# KiCad board forti proto.kicad_pcb (continued)
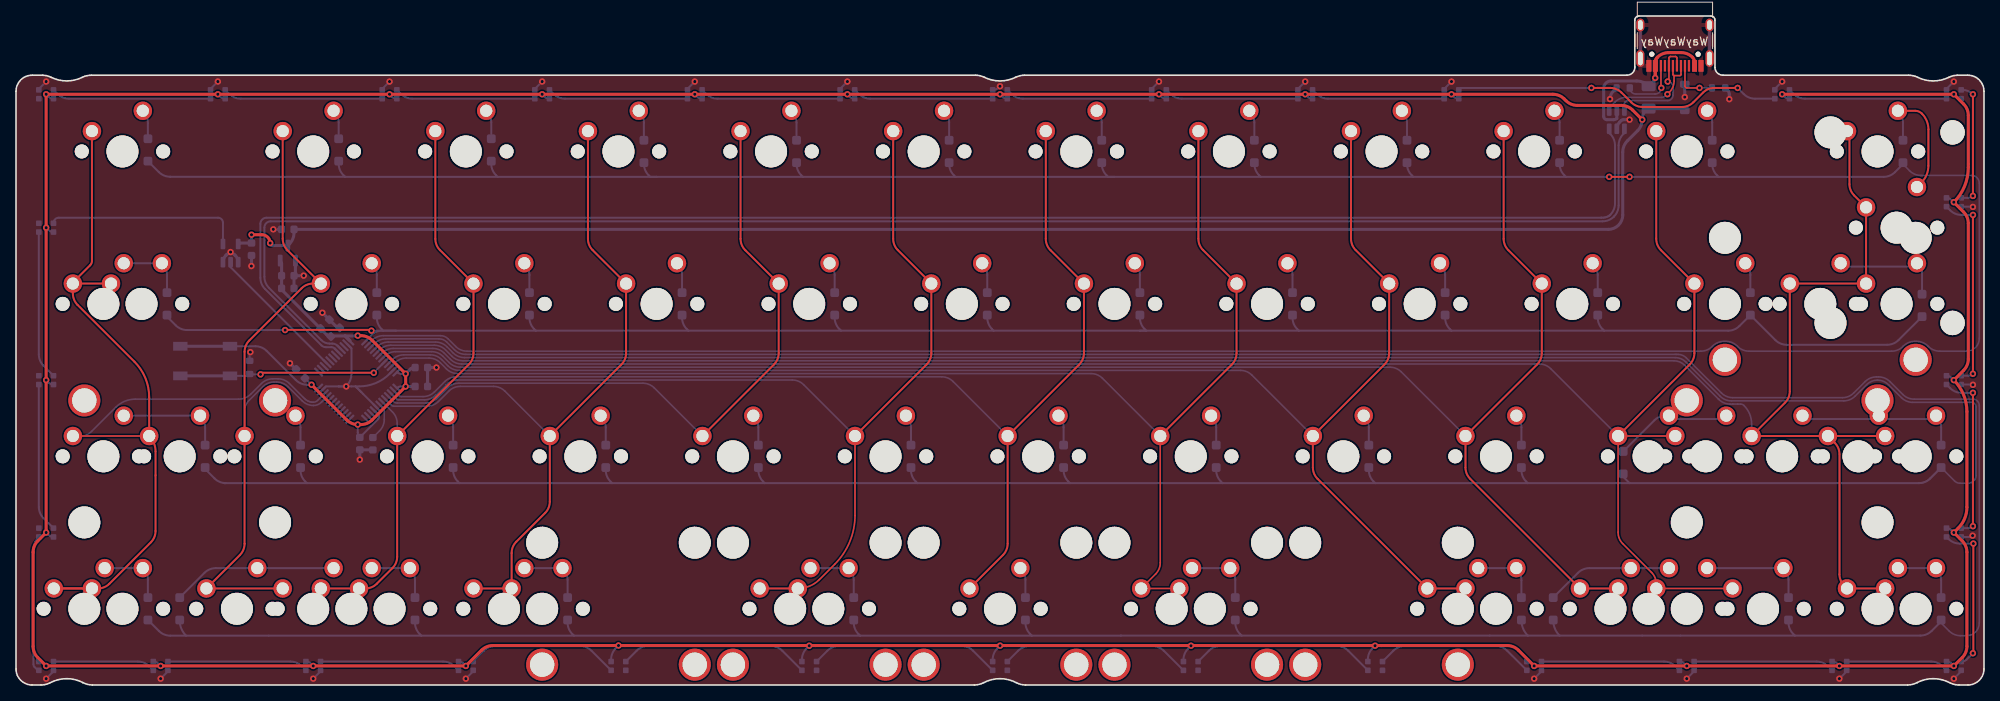
[diagram p0: board, top side]
## Routing (per net, layer and track width the routed paths; a pad name or vN(x,y) marks a point on that pad's centre or on a via; arc(x,y) is an arc through that point)
+3V3: length 73.9
  Top w0.381: v1(42.66,43.66) 43.04,43.66 arc(43.81,43.5) 44.46,43.07 v1(48.64,38.89) v1(48.64,37.31) 44.46,33.13 arc(43.81,32.7) 43.04,32.54 v1(42.66,32.54) arc(41.92,32.69) 41.3,33.11 v1(36.88,37.52)
  Bottom w0.25: U3.24 37.6,37.1 arc(37.33,37.15) 37.1,37.31 v1(36.88,37.52) ; v1(42.66,32.54) 42.66,31.55 arc(42.72,31.22) C8.1 45.19,33.21 arc(45.26,33.32) 45.28,33.45 45.28,33.6 arc(45.26,33.7) 45.21,33.78 U3.9 ; SW2.1 29.88,42.33 arc(30.64,42.18) 31.29,41.75 34.93,38.11 arc(35.58,37.67) 36.34,37.52 v1(36.88,37.52) ; v1(48.64,38.89) 48.04,38.89 arc(47.77,38.95) U3.48 ; v1(36.88,37.52) C5.1 ; v1(48.64,37.31) 48.04,37.31 arc(47.77,37.25) U3.1
  Bottom w0.381: v1(48.64,38.89) 49.22,39.48 arc(49.43,39.62) 49.68,39.67 C7.1 ; SW2.1 SW2.1 ; v1(48.64,37.31) C9.1 ; 41.08,43.62 41.66,43.05 ; 41.08,43.62 41.69,43.02 ; 41.08,43.62 42.62,43.62 v1(42.66,43.66) ; 41.08,43.62 39.47,43.62 arc(39.38,43.6) C6.1 39.29,43.55 arc(39.02,43.61) 38.79,43.76 33.15,49.4 C3.1 33.15,49.56 C2.2 33.15,52.61 arc(33.11,52.84) U2.2
+5V: length 850.8
  Top w0.25: 75.99,4.93 75.99,4.93 v1(75.2,4.93) ; v1(99.01,4.91) 99.78,4.91 99.81,4.93 ; v1(122.83,4.91) 123.6,4.91 123.62,4.93 ; 147.43,4.93 147.41,4.91 v1(146.66,4.91) ; 170.45,4.93 170.43,4.91 v1(169.64,4.91)
  Top w0.381: v1(202.99,70.64) 201.79,71.84 arc(201.15,72.28) 200.38,72.43 194.89,72.43 arc(194.13,72.58) 193.48,73.01 193.26,73.23 arc(192.61,73.67) 191.85,73.82 v1(179.18,73.82) v1(3.76,73.82) v1(3.76,57.15) v1(3.76,38.1) v1(3.76,19.05) 2.72,18 arc(2.28,17.35) 2.13,16.59 2.13,4.84 arc(2.28,4.08) 2.72,3.43 v1(3.76,2.38) v1(56.15,2.38) 58.11,4.34 arc(58.76,4.78) 59.53,4.93 186.12,4.93 arc(186.89,4.78) 187.54,4.34 v1(189.5,2.38) v1(241.89,2.38) 242.93,3.43 arc(243.37,4.08) 243.52,4.84 243.52,16.59 arc(243.37,17.35) 242.93,18 v1(241.89,19.05) 242.43,19.59 arc(243.24,20.8) 243.52,22.23 243.52,34.16 arc(243.1,36.29) v1(241.89,38.1) 243.11,39.32 arc(243.54,39.97) 243.69,40.73 243.69,57.69 arc(243.54,58.46) 243.11,59.11 v1(241.89,60.33) arc(243.22,62.32) 243.69,64.68 243.69,65.09 ; 243.69,65.15 243.69,71.18 arc(243.54,71.95) 243.11,72.6 v1(241.89,73.82) v1(220.46,73.82) ; v1(29.4,56.27) 30.68,56.27 arc(31.42,55.96) v1(31.72,55.22)
  Bottom w0.25: v1(189.5,2.38) 189.21,2.67 arc(188.92,2.86) LED12.4 ; v1(103.78,73.82) 104.07,73.53 arc(104.35,73.34) LED30.4 ; v1(241.89,73.82) 242.18,73.53 arc(242.47,73.34) LED18.4 ; v1(220.46,73.82) 220.75,73.53 arc(221.03,73.34) LED19.4 ; v1(241.89,38.1) 241.6,38.39 arc(241.31,38.58) LED16.4 ; v1(122.83,73.82) 123.12,73.53 arc(123.4,73.34) LED23.4 ; v1(25.19,73.82) 25.49,73.53 arc(25.77,73.34) LED31.4 ; v1(84.73,73.82) 85.02,73.53 arc(85.3,73.34) LED24.4 ; v1(56.15,2.38) 55.86,2.67 arc(55.57,2.86) LED7.4 ; LED28.4 121.91,3.17 arc(122.06,3.93) 122.5,4.58 v1(122.83,4.91) ; v1(65.68,73.82) 65.97,73.53 arc(66.25,73.34) LED25.4 ; v1(241.89,19.05) 241.6,19.34 arc(241.31,19.53) LED15.4 ; v1(46.63,73.82) 46.92,73.53 arc(47.2,73.34) LED26.4 ; v1(179.18,73.82) 179.47,73.53 arc(179.76,73.34) LED20.4 ; v1(169.64,4.91) 169.33,4.59 arc(168.89,3.95) 168.74,3.18 LED11.4 ; v1(208.55,2.38) 208.26,2.67 arc(207.97,2.86) LED29.4 ; v1(75.2,4.93) 74.87,4.6 arc(74.44,3.95) 74.29,3.19 LED8.4 ; v1(3.76,2.38) 3.47,2.67 arc(3.18,2.86) LED4.4 ; LED10.4 145.72,3.14 arc(145.87,3.9) 146.31,4.55 v1(146.66,4.91) ; v1(142.67,73.82) 142.96,73.53 arc(143.25,73.34) LED22.4 ; v1(37.1,2.38) 36.81,2.67 arc(36.52,2.86) LED6.4 ; v1(241.89,60.33) 241.6,60.62 arc(241.31,60.81) LED17.4 ; v1(3.76,57.15) 4.05,56.86 arc(4.34,56.67) LED1.4 ; v1(99.01,4.91) 98.68,4.58 arc(98.25,3.93) 98.1,3.16 LED9.4 ; v1(3.76,38.1) 4.05,37.81 arc(4.34,37.62) LED2.4 ; v1(241.89,2.38) 241.6,2.67 arc(241.31,2.86) LED14.4 ; v1(3.76,19.05) 4.05,18.76 arc(4.34,18.57) LED3.4 ; v1(160.93,73.82) 161.22,73.53 arc(161.5,73.34) LED21.4 ; v1(3.76,73.82) 4.05,73.53 arc(4.34,73.34) LED27.4 ; v1(227.6,2.38) 227.31,2.67 arc(227.02,2.86) LED13.4 ; v1(18.05,2.38) 17.76,2.67 arc(17.47,2.86) LED5.4
  Bottom w0.381: D_PWR1.1 208.05,72.03 F1.2 203.58,72.03 203.58,72.02 arc(203.15,71.37) 202.99,70.61 ; v1(29.4,56.27) arc(29.39,56.27) 29.39,56.27 C12.2 28,55.23 arc(27.86,55.2) 27.73,55.11 ; v1(202.99,70.64) arc(202.85,69.91) 202.43,69.29 201.15,68 arc(200.71,67.35) 200.56,66.59 200.56,58.74 arc(200.03,57.46) 198.76,56.94 C1.2 34.7,56.52 arc(34.55,55.75) 34.11,55.1 U2.3 32.03,54.91 arc(31.82,55) v1(31.72,55.22)
GND: length 92
  Bottom w0.2: U3.47 46.65,38.91
  Bottom w0.25: 42.38,37.32 42.52,37.17 ; 42.38,37.32 42.84,37.32 arc(44.88,37.72) 46.62,38.88 U3.47 ; 42.38,37.32 40.28,37.32 ; 42.52,37.17 U3.8 ; 42.52,37.17 43.1,36.6 43.1,36.59 ; LED29.2 209.47,1.71 v1(208.55,0.79) ; v1(65.68,75.41) 64.85,74.58 arc(64.78,74.48) LED25.2 ; v1(241.89,75.41) 241.06,74.58 arc(241,74.48) LED18.2 ; v1(56.15,0.79) 57.07,1.71 LED7.2 ; v1(189.5,0.79) 190.33,1.62 arc(190.39,1.72) LED12.2 ; U3.23 38.69,37.32 40.28,37.32 ; 40.28,37.32 40.28,37.31 v1(41.21,37.31) arc(41.7,38.04) 41.87,38.9 41.87,42.07 U3.35 ; v1(25.19,75.41) 24.37,74.58 arc(24.3,74.48) LED31.2 ; v1(29.25,41.6) 29.16,41.51 R6.2 ; LED16.2 244.18,37.55 arc(244.23,37.54) v1(244.27,37.51) ; v1(37.1,0.79) 38.02,1.71 LED6.2 ; v1(3.76,75.41) 2.93,74.58 arc(2.87,74.48) LED27.2 ; v1(160.93,75.41) 160.1,74.58 arc(160.03,74.48) LED21.2 ; v1(46.63,75.41) 45.8,74.58 arc(45.73,74.48) LED26.2 ; v1(179.18,75.41) 178.35,74.58 arc(178.29,74.48) LED20.2 ; LED17.2 244.18,59.78 arc(244.23,59.77) v1(244.27,59.74) ; v1(18.05,0.79) 18.88,1.62 arc(18.94,1.72) LED5.2 ; v1(122.82,74.82) 122.7,74.69 arc(122.34,74.45) LED23.2 ; v1(84.73,75.41) 83.9,74.58 arc(83.83,74.48) LED24.2 ; v1(103.78,75.41) 102.95,74.58 arc(102.88,74.48) LED30.2 ; LED14.2 242.8,1.71 v1(241.89,0.79) ; LED15.2 243.83,18.5 arc(244.05,18.54) v1(244.23,18.67) ; v1(3.76,0.79) 4.59,1.62 arc(4.65,1.72) LED4.2 ; v1(227.6,0.79) 228.52,1.71 LED13.2 ; v1(142.67,75.41) 141.84,74.58 arc(141.78,74.48) LED22.2 ; v1(220.46,75.41) 219.63,74.58 arc(219.56,74.48) LED19.2
  Bottom w0.381: R2.2 199.37,74.2 arc(199.07,73.75) v1(198.97,73.22) ; C3.2 34.7,49.56 C2.1 ; J2.S1 J2.S1 ; U2.1 34.88,51.32 C2.1 ; J2.S1 J2.S1 ; C12.1 29.39,52.37 v1(29.38,52.35) ; v1(213.86,73.21) 213.86,73.82 arc(213.81,74.08) 213.66,74.29 R1.2 ; v1(201.41,70.64) 200.61,70.64 arc(200.49,70.62) 200.39,70.55 200.16,70.32 arc(199.91,69.95) U1.2 ; C2.1 35.9,51.15 v1(35.91,51.16) ; C5.2 34.96,39.44 v1(34.19,40.21) ; v1(32.11,56.94) 32.12,56.94 C1.1 ; v1(42.91,28.16) 42.91,28.16 C8.2 44.53,29.39 C13.2 ; v1(52.48,39.67) 52.47,39.67 C7.2 C9.2 ; 26.78,53.98 v1(26.78,54.1) ; 26.78,53.98 arc(26.51,53.92) 26.29,53.77 26.17,53.65 arc(25.92,53.28) U4.3 ; 26.78,53.98 arc(27.05,53.92) 27.28,53.77 27.39,53.65 arc(27.64,53.28) 27.73,52.84 ; v1(38.24,46.52) 39.11,45.65 C4.2 39.92,44.85 arc(40.14,44.7) C6.2 ; 208.3,74.78 D_PWR1.2 208.3,73.47 v1(208.3,73.47)
VBUS: length 25.5
  Top w0.381: J2.A4 209.53,77.82 arc(209.46,78.15) 209.27,78.44 arc(208.62,78.87) 207.85,79.02 206.3,79.02 arc(205.53,78.87) 204.88,78.44 ; 209.53,77.18 209.53,77.62 ; 204.63,77.62 204.63,75.87 v1(204.61,75.86) 204.61,77.79 arc(204.68,78.14) 204.88,78.44 ; 204.88,78.44 arc(204.69,78.15) 204.63,77.82
  Bottom w0.381: v1(204.61,75.86) 204.61,75.65 F1.1 203.72,74.89 arc(203.07,75.33) 202.31,75.48 199.1,75.48 arc(198.45,75.21) 198.18,74.56 198.18,71.04 arc(198.3,70.76) 198.58,70.64 199.43,70.64 arc(199.64,70.69) 199.82,70.8 U1.5
/CC1: length 6
  Top w0.2: v1(210.14,74.61) 208.55,74.61 arc(208.39,74.68) 208.33,74.84 J2.A5
  Bottom w0.2: v1(210.14,74.61) R1.1
/CC2: length 7.6
  Top w0.2: v1(205.38,74.61) 205.33,74.66 J2.B5
  Bottom w0.2: v1(205.38,74.61) arc(205.15,74.07) 204.61,73.85 202.2,73.85 arc(201.66,74.07) R2.1
BOOT0: length 26.5
  Top w0.25: v1(44.66,39.02) 30.72,39.02 v1(30.52,38.82)
  Bottom w0.2: 45.17,39.55 44.66,39.04 v1(44.66,39.02)
  Bottom w0.25: v1(30.52,38.82) 29.21,38.82 R6.1 28.93,38.63 SW2.2 ; 45.17,39.55 U3.44
  Bottom w0.381: SW2.2 SW2.2
COL0: length 125.1
  Top w0.2: MX25.1 MXshift2.25.1
  Top w0.25: 7.1,50.17 11.86,50.17 ; 7.1,50.17 7.1,48.91 arc(7.25,48.15) 7.68,47.5 14.79,40.39 arc(16.14,38.36) 16.62,35.97 MXshift2.25.1 arc(17.21,30.24) 17.42,29.2 17.42,19.24 arc(17.26,18.48) 16.83,17.83 11.65,12.65 arc(11,12.22) 10.24,12.07 MX37.1 MX48.1 ; 7.1,50.17 arc(7.12,50.29) 7.19,50.39 9.25,52.45 arc(9.42,52.7) 9.48,53 MX1.1
  Bottom w0.2: U3.22 37.64,35.56 arc(37.39,35.39) 37.1,35.34 37.01,35.34 36.82,35.36 36.62,35.41 36.43,35.49 36.25,35.6 36.08,35.73 35.88,35.92 ; MX25.1 8.03,31.12 arc(8.79,31.27) 9.44,31.7 12.46,34.72 arc(13.57,35.46) 14.88,35.72 27.77,35.72 arc(28.61,35.88) 29.32,36.36 30.63,37.67 arc(31.28,38.11) 32.05,38.26 32.71,38.26 arc(33.47,38.11) 34.12,37.67 35.89,35.91
COL1: length 91.9
  Top w0.25: MX52.1 MX38.1 27.94,16.24 arc(28.38,16.89) 28.53,17.66 MX26.1 28.53,41.63 arc(28.68,42.4) 29.11,43.04 35.65,49.58 arc(36.3,50.01) 37.06,50.17 38.05,50.17 33.88,54.34 arc(33.44,54.99) 33.29,55.76 MX2.1
  Bottom w0.2: MX26.1 28.53,34.17 arc(28.68,34.94) 29.11,35.59 30.8,37.27 arc(31.45,37.71) 32.21,37.86 32.54,37.86 arc(33.31,37.71) 33.96,37.27 35.72,35.51 arc(36.37,35.08) 37.13,34.93 arc(37.67,35.03) 38.12,35.33 U3.21
COL2: length 75.3
  Top w0.25: MX49.1 MX39.1 43.61,12.07 arc(44.38,12.22) 45.03,12.65 46.99,14.62 arc(47.43,15.26) 47.58,16.03 MX27.1 56.52,40.05 arc(56.95,40.7) 57.1,41.47 57.1,50.17 52.93,54.34 arc(52.49,54.99) 52.34,55.76 MX3.1
  Bottom w0.2: MX27.1 47.58,32.7 arc(47.43,33.47) 46.99,34.12 U3.6
COL3: length 93.6
  Top w0.25: MX4.1 71.39,55.76 arc(71.54,54.99) 71.98,54.34 76.15,50.17 76.15,41.47 arc(76,40.7) 75.57,40.05 MX28.1 66.63,22.91 arc(66.48,22.15) 66.04,21.5 62.45,17.91 arc(62.02,17.26) 61.87,16.49 MX41.1 MX53.1
  Bottom w0.2: MX28.1 61.01,36.73 arc(60.37,37.16) 59.6,37.31 55.44,37.31 arc(54.68,37.16) 54.03,36.73 52.73,35.42 arc(52.08,34.99) 51.31,34.84 47.13,34.84 arc(46.99,34.87) 46.87,34.95 U3.5
COL4: length 86.8
  Top w0.25: MX5.1 90.44,55.76 arc(90.59,54.99) 91.03,54.34 95.2,50.17 95.2,41.47 arc(95.05,40.7) 94.62,40.05 MX29.1
  Bottom w0.2: MX29.1 79.66,37.13 arc(79.02,37.56) 78.25,37.71 55.28,37.71 arc(54.51,37.56) 53.86,37.13 52.56,35.82 arc(51.91,35.39) 51.15,35.24 47.57,35.24 arc(47.31,35.29) 47.08,35.44 U3.4
COL5: length 132.9
  Top w0.2: MX30.1 104.73,21.21 arc(104.07,17.89) 102.19,15.08 100.29,13.19 arc(99.05,12.36) MXsplit2.75.1
  Top w0.25: MXsplit2.75.1 MXsplit2.25(1)1.1 ; MX30.1 113.67,40.05 arc(114.1,40.7) 114.25,41.47 114.25,50.17 110.08,54.34 arc(109.64,54.99) 109.49,55.76 MX6.1
  Bottom w0.2: U3.3 47.49,35.74 arc(47.6,35.67) 47.74,35.64 50.98,35.64 arc(51.75,35.79) 52.39,36.22 53.7,37.53 arc(54.35,37.96) 55.11,38.11 96.9,38.11 arc(97.67,37.96) 98.31,37.53 MX30.1
COL6: length 145.5
  Top w0.25: MX42.1 123.19,16.24 arc(123.63,16.89) 123.78,17.66 MX31.1 132.72,40.05 arc(133.15,40.7) 133.3,41.47 133.3,50.17 129.13,54.34 arc(128.69,54.99) 128.54,55.76 MX7.1
  Bottom w0.2: MX31.1 116.96,37.93 arc(116.32,38.36) 115.55,38.51 54.95,38.51 arc(54.18,38.36) 53.53,37.93 52.23,36.62 arc(51.58,36.19) 50.81,36.04 48.09,36.04 arc(47.92,36.07) 47.78,36.17 47.21,36.74 arc(47.2,36.75) U3.2
COL7: length 168.7
  Top w0.2: MX32.1 142.83,15.27 arc(142.68,14.51) 142.24,13.86 MXsplit2.75(1)1.1 MXsplit2.25.1
  Top w0.25: MX32.1 151.77,40.05 arc(152.2,40.7) 152.35,41.47 152.35,50.17 148.18,54.34 arc(147.74,54.99) 147.59,55.76 MX8.1
  Bottom w0.2: MX32.1 135.61,38.33 arc(134.97,38.76) 134.2,38.91 55.14,38.91 arc(54.38,39.07) 53.73,39.5 52.96,40.27 arc(52.31,40.7) 51.54,40.86 48.72,40.86 arc(47.95,40.7) 47.3,40.27 U3.46
COL8: length 193.2
  Top w0.25: MX54.1 MX43.1 162.46,25.77 arc(162.03,26.42) 161.88,27.18 MX33.1 170.82,40.05 arc(171.25,40.7) 171.4,41.47 171.4,50.17 167.23,54.34 arc(166.79,54.99) 166.64,55.76 MX9.1
  Bottom w0.2: U3.45 46.99,40.67 arc(47.64,41.1) 48.41,41.26 51.71,41.26 arc(52.47,41.1) 53.12,40.67 53.89,39.9 arc(54.54,39.47) 55.31,39.31 152.85,39.31 arc(153.62,39.16) 154.26,38.73 MX33.1
COL9: length 213
  Top w0.25: MX10.1 185.69,55.76 arc(185.84,54.99) 186.28,54.34 190.45,50.17 190.45,41.47 arc(190.3,40.7) 189.87,40.05 MX34.1 180.93,27.18 arc(181.08,26.42) 181.51,25.77 MX44.1 MX50.1
  Bottom w0.2: MX34.1 172.91,39.13 arc(172.27,39.56) 171.5,39.71 55.47,39.71 arc(54.71,39.87) 54.06,40.3 53.29,41.07 arc(52.64,41.5) 51.87,41.66 47.39,41.66 arc(46.63,41.5) 45.98,41.07 U3.43
COL10: length 240.5
  Top w0.2: MX45.1 MX55.1 204.74,12.65 arc(204.59,13.42) 204.15,14.07 200.56,17.66 arc(200.13,18.31) 199.98,19.07 MX35.1 MX40.1
  Top w0.25: MX35.1 208.92,40.05 arc(209.35,40.7) 209.5,41.47 209.5,50.17 205.33,54.34 arc(204.89,54.99) 204.74,55.76 MX11.1
  Bottom w0.2: MX35.1 191.56,39.53 arc(190.92,39.96) 190.15,40.11 55.64,40.11 arc(54.87,40.27) 54.23,40.7 53.45,41.47 arc(52.81,41.9) 52.04,42.06 47.09,42.06 arc(46.32,41.9) 45.67,41.47 U3.42
COL11: length 269.3
  Top w0.25: MX36.1 MXshift2.75.1 220.82,35.29 arc(221.26,35.94) 221.41,36.71 221.41,50.17 230.93,50.17 MXISO1.1 229.44,61.18 arc(229.01,61.83) 228.86,62.59 228.86,69.22 ; MX36.1 227.03,30.26 arc(227.46,29.61) 227.61,28.85 227.61,13.83 arc(227.76,13.07) 228.2,12.42 MX51.1 MX46.1 ; MX36.1 MX47.1
  Bottom w0.2: U3.41 45.37,41.87 arc(46.01,42.3) 46.78,42.46 52.21,42.46 arc(52.97,42.3) 53.62,41.87 54.39,41.1 arc(55.04,40.67) 55.81,40.51 206.96,40.51 arc(207.66,40.37) 208.26,39.98 212.52,35.72 212.55,35.69 arc(213.2,35.25) 213.96,35.1 213.96,35.1 214.29,35.1 214.29,35.1 214.9,35.1 214.9,35.11 215.26,35.11 arc(215.49,35.06) 215.69,34.93 arc(216.4,33.87) 216.65,32.63 MXshift2.75.1
D_N: length 200.8
  Bottom w0.25: U1.3 198.87,68.99 199.01,68.85 arc(199.44,68.2) 199.59,67.43 199.59,60.18 arc(199.44,59.41) 199,58.76 198.92,58.67 198.85,58.63 198.72,58.56 198.54,58.48 198.34,58.43 198.14,58.4 197.87,58.4 arc(197.86,58.4) 197.85,58.39 31.27,58.39 arc(30.73,58.17) 30.5,57.62 30.5,50.9 arc(30.65,50.13) 31.09,49.48 38.11,42.45 arc(38.38,42.28) 38.69,42.22 39.37,42.22 arc(39.58,42.17) 39.77,42.05 U3.32
D_P: length 200.2
  Bottom w0.25: U1.1 200.77,68.99 200.63,68.85 arc(200.2,68.2) 200.04,67.43 200.04,59.95 arc(199.89,59.18) 199.46,58.53 199.45,58.53 arc(198.8,58.1) 198.04,57.94 31.79,57.94 arc(31.23,57.71) 31,57.15 31,51.03 arc(31.15,50.27) 31.59,49.62 38.12,43.09 arc(38.58,42.77) 39.13,42.67 39.48,42.67 arc(39.83,42.6) 40.12,42.4 U3.33
D_USB_N: length 14.1
  Top w0.2: 206.96,76.15 206.96,75.47 arc(206.81,74.71) 206.38,74.06 v1(206.14,73.82) ; 206.96,76.15 207.71,76.15 arc(207.79,76.19) 207.83,76.27 J2.B7 ; 206.96,76.15 arc(206.87,76.2) 206.83,76.29 J2.A7
  Bottom w0.2: U1.4 198.87,71.95 arc(198.9,72.12) 199,72.26 199.58,72.84 arc(200.23,73.27) 200.99,73.43 205.38,73.43 arc(205.71,73.49) 206,73.68 v1(206.14,73.82)
D_USB_P: length 14.8
  Top w0.2: J2.A6 207.33,78.35 arc(207.27,78.48) 207.15,78.53 206.5,78.53 arc(206.38,78.48) 206.33,78.35 J2.B6 206.33,75.56 v1(206.17,75.41)
  Bottom w0.2: U1.6 200.77,72.64 arc(200.8,72.77) 200.87,72.88 200.89,72.91 arc(201.03,72.99) 201.18,73.03 206.17,73.03 arc(206.63,73.22) 206.83,73.68 ; 206.84,73.68 206.84,74.73 arc(206.64,75.21) v1(206.17,75.41)
NRST: length 4.8
  Bottom w0.2: C13.1 45.38,31.76 arc(45.81,32.41) 45.97,33.18 45.97,34.24 arc(45.93,34.42) 45.83,34.58 U3.7
RGB MCU: length 18.1
  Bottom w0.25: U3.28 26.78,52.21 U4.2 26.78,52.39
rgb underglow: length 24.6
  Bottom w0.25: LED1.3 4.68,57.72 arc(4.87,58.2) 5.35,58.39 25.21,58.39 arc(25.65,58.21) 25.83,57.77 U4.4
ROW0: length 477
  Top w0.25: v1(201.41,63.5) v1(198.87,63.5)
  Bottom w0.2: U3.38 44.44,43.07 arc(45.09,43.5) 45.86,43.66 52.98,43.66 arc(53.49,43.55) 53.93,43.26 54.89,42.3 arc(55.54,41.87) 56.3,41.71 210.31,41.71 arc(211.07,41.87) 211.72,42.3 211.77,42.35 arc(212.42,42.79) 213.19,42.94 213.44,42.94 arc(214.2,42.79) 214.85,42.35 214.91,42.3 arc(215.55,41.87) 216.32,41.71 234.12,41.71 arc(234.88,41.87) 235.53,42.3 235.59,42.35 arc(236.24,42.79) 237,42.94 237.25,42.94 arc(238.01,42.79) 238.66,42.35 238.72,42.3 arc(239.37,41.87) 240.13,41.71 243.48,41.71 arc(244.6,42.18) 245.06,43.3 245.06,62.71 arc(244.78,63.39) 244.09,63.68 237.77,63.68 arc(237.01,63.83) 236.36,64.27 235.54,65.09 D12.1
  Bottom w0.25: v1(201.41,63.5) 212.52,63.5 ; 212.52,63.5 233.12,63.5 arc(233.89,63.65) 234.54,64.09 235.54,65.09 ; 212.52,63.5 212.31,63.71 arc(211.88,64.36) 211.73,65.12 D11.1 ; 98.22,63.5 117.27,63.5 ; 98.22,63.5 79.96,63.5 ; 98.22,63.5 98.01,63.71 arc(97.58,64.36) 97.43,65.12 D5.1 ; 117.27,63.5 137.11,63.5 ; 117.27,63.5 117.06,63.71 arc(116.63,64.36) 116.48,65.12 D6.1 ; 155.37,63.5 174.42,63.5 ; 155.37,63.5 155.16,63.71 arc(154.73,64.36) 154.58,65.12 D8.1 ; 155.37,63.5 137.11,63.5 ; 174.42,63.5 193.47,63.5 ; 174.42,63.5 174.21,63.71 arc(173.78,64.36) 173.63,65.12 D9.1 ; D3.1 59.33,65.12 arc(59.48,64.36) 59.91,63.71 60.12,63.5 ; D4.1 78.38,65.12 arc(78.53,64.36) 78.96,63.71 79.17,63.5 79.96,63.5 ; 41.07,63.51 19.25,63.51 19.24,63.51 arc(18.48,63.66) 17.83,64.1 D1.1 ; 41.07,63.51 41.08,63.5 60.12,63.5 ; 41.07,63.51 40.86,63.72 arc(40.43,64.37) 40.28,65.13 D2.1 ; 137.11,63.5 136.32,63.5 136.11,63.71 arc(135.68,64.36) 135.53,65.12 D7.1 ; 193.47,63.5 193.26,63.71 arc(192.83,64.36) 192.68,65.12 D10.1 ; 193.47,63.5 v1(198.87,63.5) ; 60.12,63.5 79.96,63.5
ROW1: length 248
  Top w0.25: v1(44.36,44.27) 44.26,44.38 33.61,44.38 v1(33.59,44.36)
  Bottom w0.2: U3.37 44.36,43.69 arc(45.01,44.12) 45.77,44.27 45.83,44.27
  Bottom w0.25: 160.13,44.27 179.18,44.27 ; 160.13,44.27 159.92,44.48 arc(159.49,45.13) 159.34,45.9 D20.1 ; 160.13,44.27 140.29,44.27 ; 179.18,44.27 198.23,44.27 ; 179.18,44.27 178.97,44.48 arc(178.54,45.13) 178.39,45.9 D21.1 ; 83.93,44.27 102.98,44.27 ; 83.93,44.27 64.88,44.27 ; 83.93,44.27 83.72,44.48 arc(83.29,45.13) 83.14,45.9 D16.1 ; 102.98,44.27 102.77,44.48 arc(102.34,45.13) 102.19,45.9 D17.1 ; 102.98,44.27 122.03,44.27 ; 198.23,44.27 213.71,44.27 arc(214.47,44.43) 215.12,44.86 D23.1 219.61,43.1 arc(220.26,42.67) 221.03,42.52 233.57,42.52 arc(234.33,42.67) 234.98,43.1 D24.1 ; 198.23,44.27 198.02,44.48 arc(197.59,45.13) 197.44,45.9 D22.1 ; 122.03,44.27 121.82,44.48 arc(121.39,45.13) 121.24,45.9 D18.1 ; 122.03,44.27 140.29,44.27 ; 64.88,44.27 64.67,44.48 arc(64.24,45.13) 64.09,45.9 D15.1 ; 64.88,44.27 47.42,44.27 ; 140.29,44.27 141.08,44.27 140.87,44.48 arc(140.44,45.13) 140.29,45.9 D19.1 ; 18.84,46.04 19.94,44.94 arc(20.59,44.51) 21.35,44.36 31.45,44.36 v1(33.59,44.36) ; 47.42,44.27 v1(44.36,44.27) ; 47.42,44.27 45.83,44.27 45.62,44.48 arc(45.19,45.13) 45.04,45.9 D14.1
ROW2: length 462.5
  Bottom w0.2: U3.40 45.06,42.27 arc(45.71,42.7) 46.47,42.86 52.37,42.86 arc(53.14,42.7) 53.79,42.27 54.56,41.5 arc(55.21,41.07) 55.97,40.91 207.11,40.91 arc(207.83,40.77) 208.44,40.37 212.71,36.09 arc(213.36,35.66) 214.13,35.51 228.15,35.51 arc(228.91,35.66) 229.56,36.09 231.01,37.54 arc(231.63,37.95) 232.36,38.1 ; 237.51,25.21 arc(238.27,25.36) 238.92,25.8 D36.1 241.98,25.49 arc(242.29,25.29) 242.66,25.21 243.68,25.21 arc(244.38,25.5) 244.66,26.19 244.66,34.76 arc(244.5,35.15) 244.1,35.32 236.77,35.32 arc(236,35.47) 235.35,35.9 233.74,37.51 arc(233.09,37.95) 232.33,38.1
  Bottom w0.25: 93.46,25.22 112.51,25.22 ; 93.46,25.22 74.41,25.22 ; 93.46,25.22 93.25,25.43 arc(92.81,26.08) 92.66,26.85 D29.1 ; 112.51,25.22 131.56,25.22 ; 112.51,25.22 112.3,25.43 arc(111.86,26.08) 111.71,26.85 D30.1 ; D28.1 73.61,26.85 arc(73.76,26.08) 74.2,25.43 74.41,25.22 ; 36.31,25.22 55.36,25.22 ; 36.31,25.22 26,25.22 25.99,25.24 ; 36.31,25.22 36.1,25.43 arc(35.66,26.08) 35.51,26.85 D26.1 ; 55.36,25.22 74.41,25.22 ; 55.36,25.22 55.15,25.43 arc(54.71,26.08) 54.56,26.85 D27.1 ; 150.61,25.22 169.66,25.22 ; 150.61,25.22 131.56,25.22 ; 150.61,25.22 150.4,25.43 arc(149.96,26.08) 149.81,26.85 D32.1 ; 169.66,25.22 169.45,25.43 arc(169.01,26.08) 168.86,26.85 D33.1 ; 169.66,25.22 188.71,25.22 ; D36.1 238.94,25.81 arc(238.29,25.38) 237.52,25.22 201.41,25.22 ; 131.56,25.22 131.35,25.43 arc(130.91,26.08) 130.76,26.85 D31.1 ; D35.1 200.61,26.02 201.41,25.22 ; D34.1 187.91,26.85 arc(188.06,26.08) 188.5,25.43 188.71,25.22 ; 188.71,25.22 201.41,25.22 ; 23.61,26.99 24.78,25.81 arc(25.43,25.38) 26.2,25.22
ROW3: length 484.6
  Bottom w0.2: 240.3,7.94 240.3,7.75 241.3,6.75 arc(241.95,6.31) 242.72,6.16 243.48,6.16 arc(244.6,6.63) 245.06,7.75 245.06,34.93 arc(244.83,35.49) 244.27,35.72 236.93,35.72 arc(236.17,35.87) 235.52,36.3 233.91,37.91 arc(233.26,38.35) 232.49,38.5 232.23,38.5 arc(231.47,38.35) 230.82,37.91 229.39,36.49 arc(228.75,36.06) 227.98,35.91 214.29,35.91 arc(213.53,36.06) 212.88,36.49 208.48,40.89 arc(208.01,41.2) 207.46,41.31 207.26,41.31 207.11,41.31 56.14,41.31 arc(55.37,41.47) 54.72,41.9 53.76,42.86 arc(53.32,43.15) 52.8,43.26 46.17,43.26 arc(45.4,43.1) 44.75,42.67 U3.39
  Bottom w0.25: D37.1 17.84,6.75 arc(18.49,6.31) 19.25,6.16 21.23,6.16 ; 50.59,6.16 50.39,6.37 arc(49.95,7.02) 49.8,7.78 D39.1 ; 50.59,6.16 69.64,6.16 ; 50.59,6.16 21.23,6.16 ; 222.04,6.17 192.68,6.17 ; 222.04,6.17 221.84,6.38 arc(221.4,7.03) 221.25,7.8 D45.1 ; 222.04,6.17 237.71,6.17 arc(238.47,6.33) 239.12,6.76 240.3,7.94 ; 126.79,6.16 126.59,6.37 arc(126.15,7.02) 126,7.78 D42.1 ; 126.79,6.16 105.36,6.16 ; 126.79,6.16 137.91,6.16 137.92,6.17 152.99,6.17 ; 105.36,6.16 69.64,6.16 ; 105.36,6.16 105.15,6.37 arc(104.72,7.02) 104.57,7.78 D40.1 ; 152.99,6.17 188.71,6.17 ; 152.99,6.17 152.78,6.38 arc(152.35,7.03) 152.19,7.8 D47.1 ; 21.23,6.16 arc(20.64,7.04) 20.43,8.08 D38.1 ; D44.1 191.88,8.09 arc(192.09,7.05) 192.68,6.17 ; D41.1 68.85,7.78 arc(69,7.02) 69.44,6.37 69.64,6.16 ; 192.68,6.17 188.71,6.17 ; 188.71,6.17 arc(188.12,7.05) 187.91,8.09 D43.1
Net-(D1-A): length 3.7
  Bottom w0.25: D1.2 16.46,70.22 arc(16.3,71.05) MX1.2
Net-(D2-A): length 3.1
  Bottom w0.25: 40.28,68.87 40.28,70.29 arc(40.12,71.06) 39.69,71.71 MX2.2
Net-(D3-A): length 3.1
  Bottom w0.25: MX3.2 58.74,71.71 arc(59.17,71.06) 59.33,70.29 59.33,68.87
Net-(D4-A): length 3.3
  Bottom w0.25: MX4.2 77.79,71.71 arc(78.22,71.06) 78.38,70.29 78.38,68.68
Net-(D5-A): length 3.3
  Bottom w0.25: MX5.2 96.84,71.71 arc(97.27,71.06) 97.43,70.29 97.43,68.68
Net-(D6-A): length 3.3
  Bottom w0.25: MX6.2 115.89,71.71 arc(116.32,71.06) 116.48,70.29 116.48,68.68
Net-(D7-A): length 3.3
  Bottom w0.25: 135.53,68.68 135.53,70.29 arc(135.37,71.06) 134.94,71.71 MX7.2
Net-(D8-A): length 3.3
  Bottom w0.25: 154.58,68.68 154.58,70.29 arc(154.42,71.06) 153.99,71.71 MX8.2
Net-(D9-A): length 3.3
  Bottom w0.25: 173.63,68.68 173.63,70.29 arc(173.47,71.06) 173.04,71.71 MX9.2
Net-(D10-A): length 3.3
  Bottom w0.25: MX10.2 192.09,71.71 arc(192.52,71.06) 192.68,70.29 192.68,68.68
Net-(D11-A): length 3.3
  Bottom w0.25: 211.73,68.68 211.73,70.29 arc(211.57,71.06) 211.14,71.71 MX11.2
Net-(D12-A): length 16.2
  Top w0.25: MXISO1.2 237.84,62.79 arc(238.49,63.75) 238.71,64.89 238.71,69.43 arc(238.5,70.5) 237.89,71.41 arc(237.51,71.67) 237.06,71.76 MX12.2
  Bottom w0.25: 235.54,68.68 235.54,70.29 arc(235.39,71.06) 234.95,71.71 MX12.2
Net-(D13-A): length 8.6
  Bottom w0.25: 13.45,52.71 18.21,52.71 18.26,52.66 arc(18.69,52.01) 18.84,51.24 18.84,49.03
Net-(D14-A): length 3.9
  Bottom w0.25: 44.4,52.71 44.45,52.66 arc(44.89,52.01) 45.04,51.24 45.04,49.03
Net-(D15-A): length 3.9
  Bottom w0.25: 64.09,49.03 64.09,51.24 arc(63.94,52.01) 63.5,52.66 63.45,52.71
Net-(D16-A): length 3.9
  Bottom w0.25: 82.5,52.71 82.55,52.66 arc(82.99,52.01) 83.14,51.24 83.14,49.03
Net-(D17-A): length 3.9
  Bottom w0.25: 101.55,52.71 101.6,52.66 arc(102.04,52.01) 102.19,51.24 102.19,49.03
Net-(D18-A): length 3.9
  Bottom w0.25: 120.6,52.71 120.65,52.66 arc(121.09,52.01) 121.24,51.24 121.24,49.03
Net-(D19-A): length 3.9
  Bottom w0.25: 140.29,49.03 140.29,51.24 arc(140.14,52.01) 139.7,52.66 139.65,52.71
Net-(D20-A): length 3.9
  Bottom w0.25: 159.34,49.03 159.34,51.24 arc(159.19,52.01) 158.75,52.66 158.7,52.71
Net-(D21-A): length 3.9
  Bottom w0.25: 178.39,49.03 178.39,51.24 arc(178.24,52.01) 177.8,52.66 177.75,52.71
Net-(D22-A): length 3.9
  Bottom w0.25: 196.8,52.71 196.85,52.66 arc(197.29,52.01) 197.44,51.24 197.44,49.03
Net-(D23-A): length 3.9
  Bottom w0.25: 216.49,49.03 216.49,51.24 arc(216.34,52.01) 215.9,52.66 215.85,52.71
Net-(D24-A): length 14.1
  Bottom w0.25: D24.2 237.92,52.07 237.7,52.29 ; 237.7,52.29 228.18,52.29 227.76,52.71 ; 237.7,52.29 237.28,52.29
Net-(D25-A): length 13.4
  Bottom w0.25: MX25.2 MXshift2.25.2 arc(23.44,32.95) 23.61,32.12 D25.2
Net-(D26-A): length 3.9
  Bottom w0.25: D26.2 35.51,32.19 arc(35.36,32.96) 34.93,33.61 MX26.2
Net-(D27-A): length 3.9
  Bottom w0.25: D27.2 54.56,32.19 arc(54.41,32.96) 53.98,33.61 MX27.2
Net-(D28-A): length 3.9
  Bottom w0.25: MX28.2 73.03,33.61 arc(73.46,32.96) 73.61,32.19 D28.2
Net-(D29-A): length 3.9
  Bottom w0.25: MX29.2 92.08,33.61 arc(92.51,32.96) 92.66,32.19 D29.2
Net-(D30-A): length 3.9
  Bottom w0.25: MX30.2 111.13,33.61 arc(111.56,32.96) 111.71,32.19 D30.2
Net-(D31-A): length 3.9
  Bottom w0.25: D31.2 130.76,32.19 arc(130.61,32.96) 130.18,33.61 MX31.2
Net-(D32-A): length 3.9
  Bottom w0.25: MX32.2 149.23,33.61 arc(149.66,32.96) 149.81,32.19 D32.2
Net-(D33-A): length 3.9
  Bottom w0.25: D33.2 168.86,32.19 arc(168.71,32.96) 168.28,33.61 MX33.2
Net-(D34-A): length 3.9
  Bottom w0.25: D34.2 187.91,32.19 arc(187.76,32.96) 187.33,33.61 MX34.2
Net-(D35-A): length 15
  Bottom w0.25: D35.2 204.5,33.07 arc(205.15,33.5) 205.91,33.66 MX35.2 206.75,33.24 213.05,33.24 MX40.2
Net-(D36-A): length 20.9
  Bottom w0.25: D36.2 240.3,32.19 arc(240.15,32.96) 239.71,33.61 MX47.2 239.25,33.24 223.42,33.24 MXshift2.75.2
Net-(D37-A): length 8.6
  Bottom w0.25: MX37.2 MX48.2 15.88,14.56 arc(16.31,13.91) 16.46,13.14 D37.2
Net-(D38-A): length 20.6
  Bottom w0.25: D38.2 23.53,14.02 arc(24.17,14.45) 24.94,14.61 MX38.2 MX52.2
Net-(D39-A): length 8.6
  Bottom w0.25: MX49.2 MX39.2 49.21,14.56 arc(49.65,13.91) 49.8,13.14 D39.2
Net-(D40-A): length 8.6
  Bottom w0.25: 99.17,14.61 MXsplit2.75.2 103.98,14.56 arc(104.42,13.91) 104.57,13.14 D40.2
Net-(D41-A): length 8.6
  Bottom w0.25: D41.2 68.85,13.14 arc(68.7,13.91) 68.26,14.56 MX41.2 MX53.2
Net-(D42-A): length 3.9
  Bottom w0.25: MX42.2 125.41,14.56 arc(125.85,13.91) 126,13.14 D42.2
Net-(D43-A): length 8.6
  Bottom w0.25: MX43.2 MX54.2 arc(187.75,13.9) 187.91,13.07 D43.2
Net-(D44-A): length 15.9
  Bottom w0.25: MX50.2 MX44.2 196.39,14.61 arc(195.62,14.45) 194.98,14.02 D44.2
Net-(D45-A): length 13.4
  Bottom w0.25: D45.2 221.25,13.14 arc(221.1,13.91) 220.66,14.56 MX45.2 MX55.2
Net-(D46-A): length 8.6
  Bottom w0.25: D46.2 240.3,13.14 arc(240.15,13.91) 239.71,14.56 MX46.2 MX51.2
Net-(D47-A): length 8.6
  Bottom w0.25: D47.2 152.19,13.14 arc(152.04,13.91) 151.61,14.56 MXsplit2.25.2 MXsplit2.75(1)1.2
Net-(LED1-DOUT): length 18.6
  Bottom w0.25: LED2.3 3.43,39.89 arc(3,40.54) 2.85,41.31 LED1.1
Net-(LED2-DOUT): length 18.6
  Bottom w0.25: LED3.3 3.43,20.84 arc(3,21.49) 2.85,22.26 LED2.1
Net-(LED3-DOUT): length 17.2
  Bottom w0.25: LED3.1 2.76,18.41 arc(2.32,17.76) 2.17,17 2.17,2.58 arc(2.21,2.4) 2.31,2.24 2.64,1.92 arc(2.73,1.85) LED4.3
Net-(LED4-DOUT): length 12.8
  Bottom w0.25: LED5.3 16.62,2.35 arc(15.97,2.78) 15.21,2.93 LED4.1
Net-(LED5-DOUT): length 17.6
  Bottom w0.25: LED6.3 35.67,2.35 arc(35.02,2.78) 34.26,2.93 LED5.1
Net-(LED6-DOUT): length 17.6
  Bottom w0.25: LED6.1 53.31,2.93 arc(54.07,2.78) 54.72,2.35 LED7.3
Net-(LED7-DOUT): length 19.1
  Bottom w0.25: LED8.3 71.84,4.28 arc(71.19,4.71) 70.42,4.87 59.83,4.87 arc(59.06,4.71) 58.41,4.28 LED7.1
Net-(LED8-DOUT): length 23.9
  Bottom w0.25: LED9.3 95.65,4.28 arc(95,4.71) 94.24,4.87 78.88,4.87 arc(78.11,4.71) 77.46,4.28 LED8.1
Net-(LED10-DIN): length 23.9
  Bottom w0.25: LED10.3 143.27,4.28 arc(142.63,4.71) 141.86,4.87 126.5,4.87 arc(125.74,4.71) 125.09,4.28 LED28.1
Net-(LED10-DOUT): length 23.1
  Bottom w0.25: LED10.1 148.9,4.28 arc(149.55,4.71) 150.31,4.87 164.88,4.87 arc(165.64,4.71) 166.29,4.28 LED11.3
Net-(LED11-DOUT): length 19.9
  Bottom w0.25: LED12.3 186.14,4.28 arc(185.49,4.71) 184.72,4.87 173.33,4.87 arc(172.57,4.71) 171.92,4.28 LED11.1
Net-(LED12-DOUT): length 17.6
  Bottom w0.25: LED29.3 207.12,2.35 arc(206.47,2.78) 205.71,2.93 LED12.1
Net-(LED13-DIN): length 17.6
  Bottom w0.25: LED29.1 224.76,2.93 arc(225.52,2.78) 226.17,2.35 LED13.3
Net-(LED13-DOUT): length 12.8
  Bottom w0.25: LED13.1 239.04,2.93 arc(239.81,2.78) 240.46,2.35 LED14.3
Net-(LED14-DOUT): length 19.3
  Top w0.25: 244.33,4.03 v1(244.27,3.97) 244.32,4.02 v1(244.32,17.67)
  Bottom w0.25: LED15.3 241.22,18.26 arc(241.86,17.82) 242.63,17.67 v1(244.32,17.67) ; LED14.1 242.89,2.93 arc(243.21,2.99) 243.48,3.18 v1(244.27,3.97)
Net-(LED15-DOUT): length 21.8
  Top w0.25: v1(244.27,19.84) v1(244.27,36.51)
  Bottom w0.25: v1(244.27,36.51) 242.84,36.51 arc(242.07,36.66) 241.42,37.1 LED16.3 ; LED15.1 243.68,19.6 arc(244,19.66) v1(244.27,19.84)
Net-(LED16-DOUT): length 25
  Top w0.25: v1(244.27,38.89) 244.27,58.73 v1(244.28,58.74)
  Bottom w0.25: v1(244.28,58.74) 242.84,58.74 arc(242.07,58.89) 241.42,59.33 LED17.3 ; LED16.1 243.68,38.65 arc(244,38.71) v1(244.27,38.89)
Net-(LED17-DOUT): length 15.8
  Top w0.25: v1(244.27,61.12) v1(244.27,73.82)
  Bottom w0.25: LED18.3 242.94,74.37 arc(243.66,74.23) v1(244.27,73.82) ; LED17.1 243.68,60.88 arc(244,60.94) v1(244.27,61.12)
Net-(LED18-DOUT): length 20
  Bottom w0.25: LED18.1 223.3,73.27 arc(222.53,73.42) 221.89,73.85 LED19.3
Net-(LED19-DOUT): length 43.3
  Top w0.25: 199.03,74.61 197.4,74.61 arc(197.39,74.61) 197.39,74.62 197.39,74.61 ; v1(196.64,74.61) 198.99,74.61 arc(199.76,74.46) 200.4,74.03 201.61,72.82 arc(202.26,72.38) 203.03,72.23 207.95,72.23 arc(208.72,72.38) 209.37,72.82 210.58,74.03 arc(211.23,74.46) 211.99,74.61 v1(214.9,74.61)
  Bottom w0.25: v1(196.64,74.61) 180.34,74.61 LED20.3 ; LED19.1 217.07,73.27 arc(216.31,73.42) 215.66,73.85 v1(214.9,74.61)
Net-(LED20-DOUT): length 16.8
  Bottom w0.25: LED20.1 163.77,73.27 arc(163,73.42) 162.35,73.85 LED21.3
Net-(LED21-DOUT): length 16.8
  Bottom w0.25: LED21.1 145.51,73.27 arc(144.75,73.42) 144.1,73.85 LED22.3
Net-(LED22-DOUT): length 18.4
  Bottom w0.25: LED23.3 124.25,73.85 arc(124.9,73.42) 125.67,73.27 LED22.1
Net-(LED23-DOUT): length 17.6
  Bottom w0.25: LED30.3 105.2,73.85 arc(105.85,73.42) 106.62,73.27 LED23.1
